# Altium PCB ThereMightBeNoise.PcbDoc (part 1 of 3) (continued)
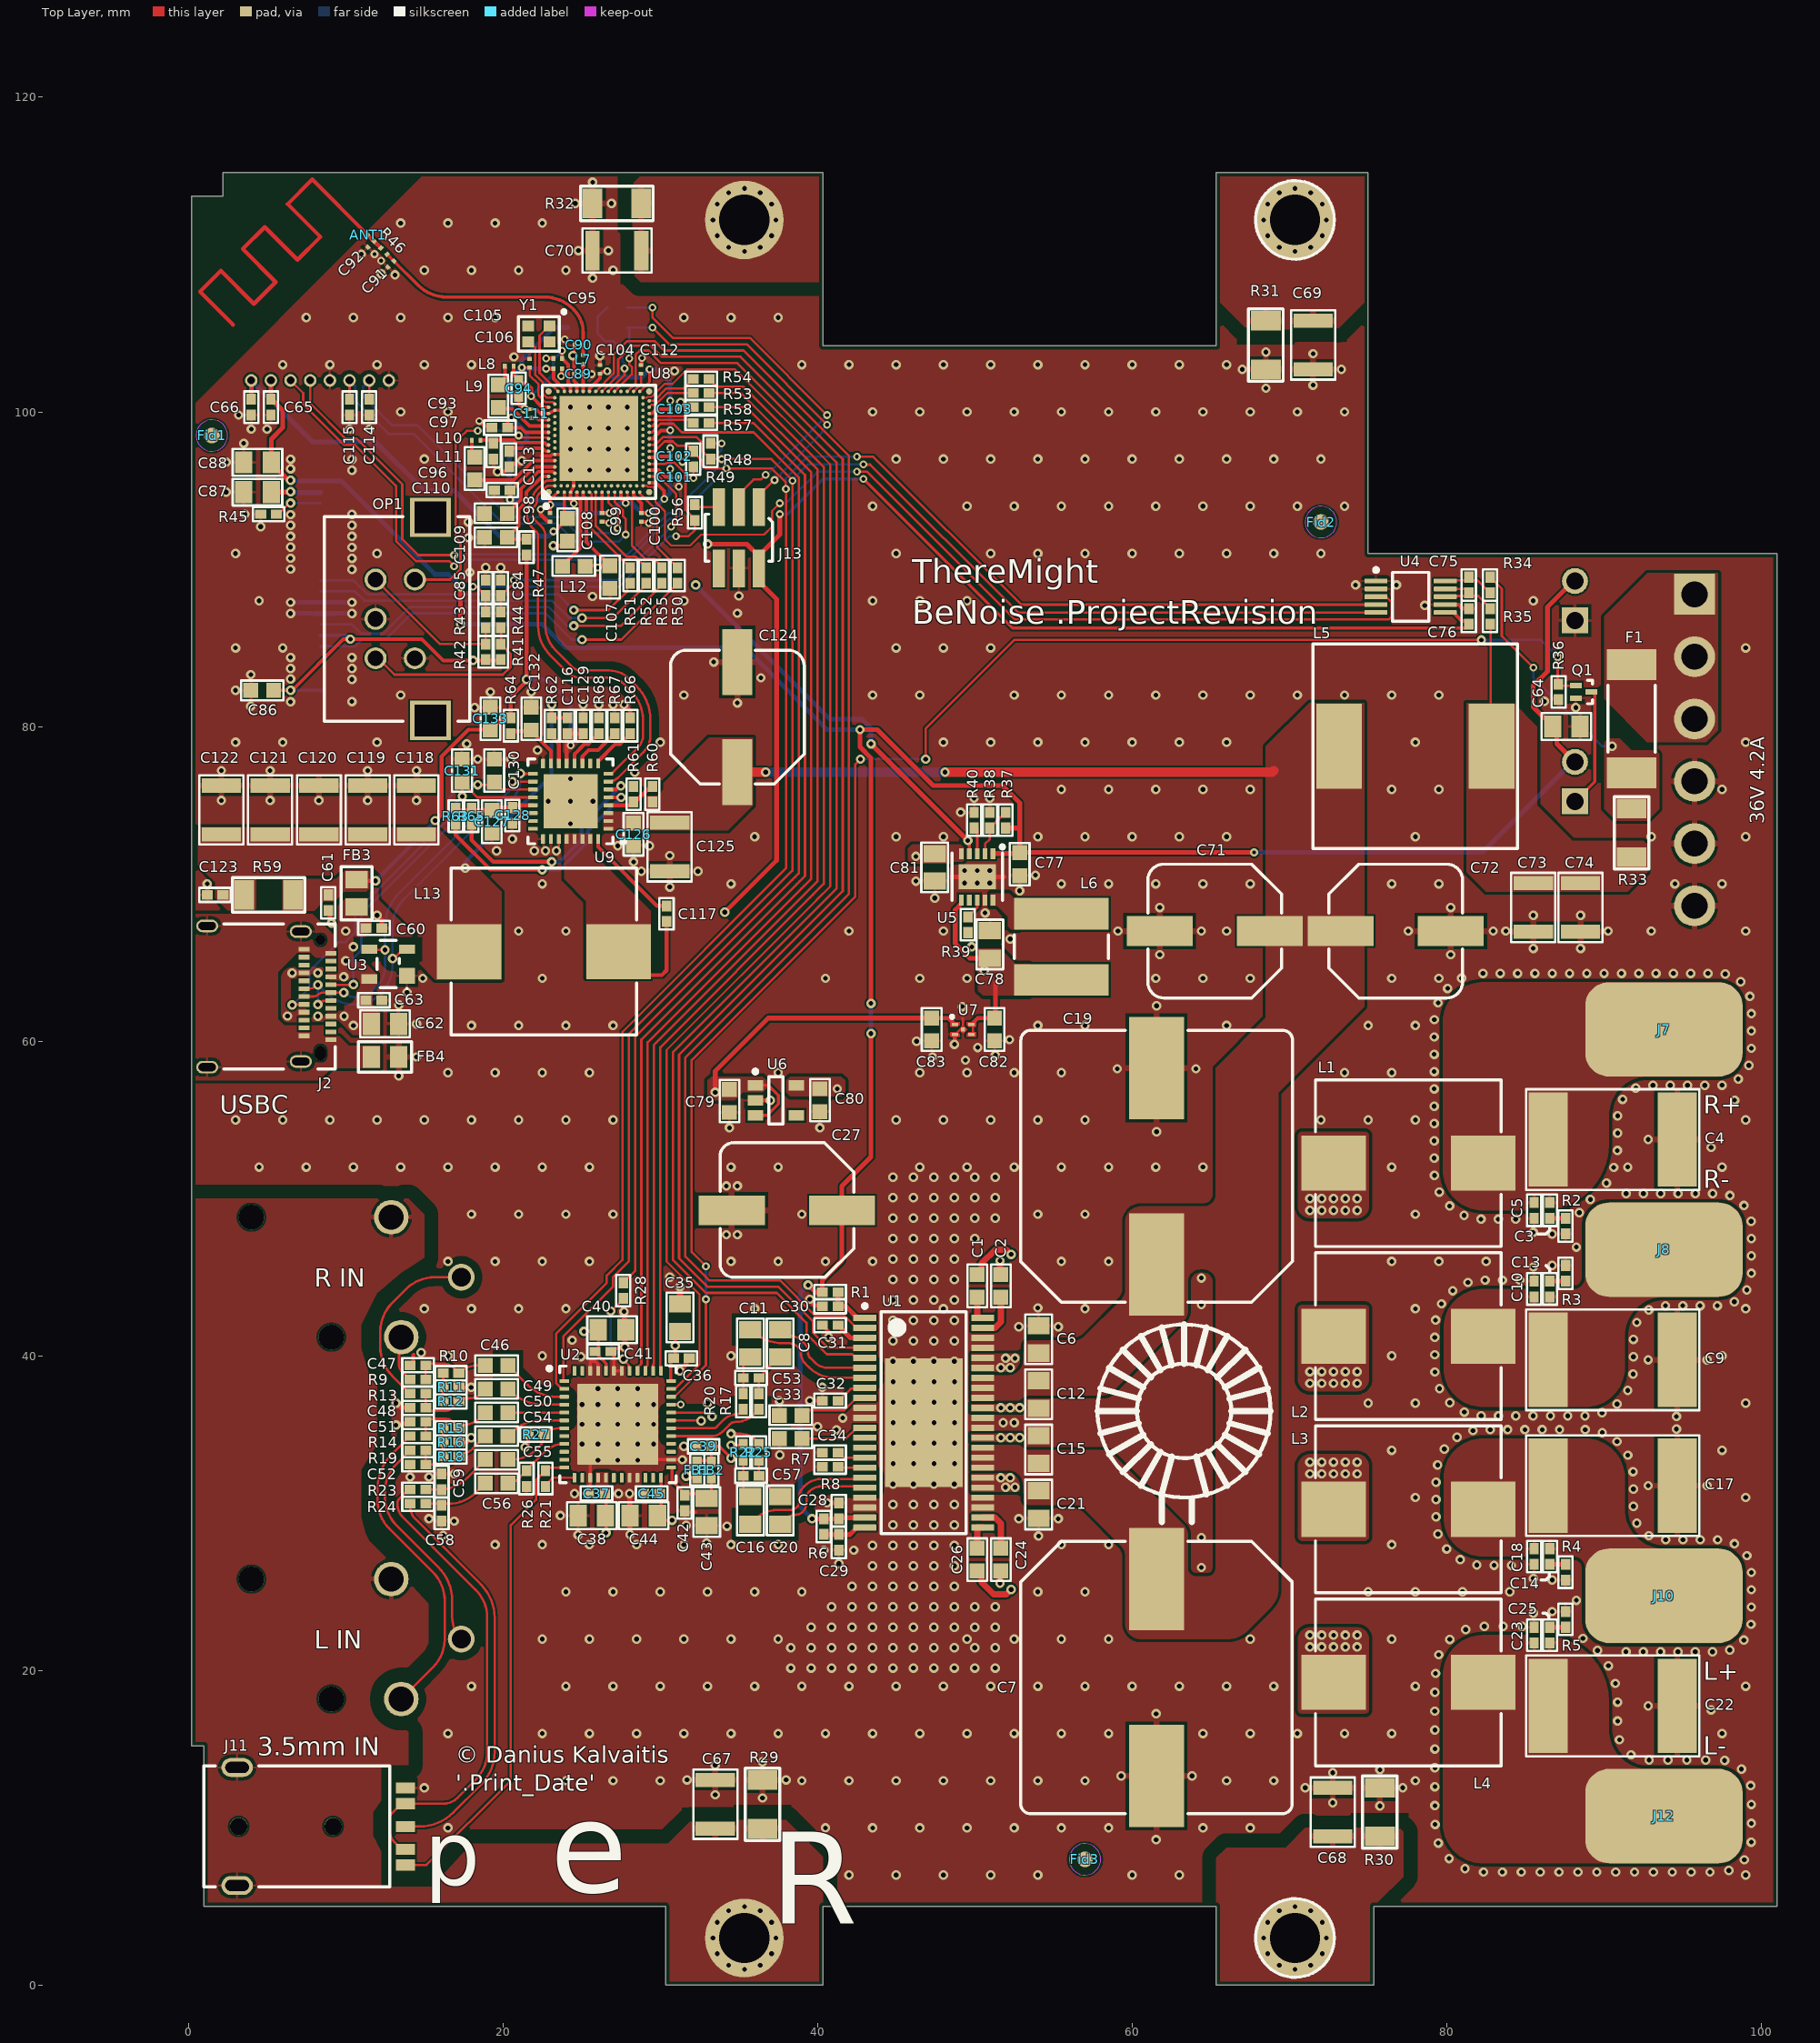
[diagram p0: Top Layer view]
## Components (designator, comment, footprint, x,y, rotation, side; value= is the part's Value field where it differs from the comment) (continued)
C83 "1u/16V" C0603 47.25,60.75 r90 top
C84 "10n/50V" C0402 19.861,88.81 r270 top
C85 "10n/50V" C0402 18.9,88.81 r270 top
C86 "1u/16V" C0603 4.7,82.3 r0 top
C87 "4u7/16V" C0805 4.4,94.9 r0 top
C88 "4u7/16V" C0805 4.4,96.8 r0 top
C89 "1p/50V" C0201 24.8,102.4 r0 top
C90 "1p/50V" C0201 24.825,104.258 r0 top
C91 "1p/50V" C0201 12.879,109.39 r45 top
C92 "1p5/25V" C0201 11.606,110.663 r45 top
C93 "1u/6.3V" C0402 19.8,99 r0 top
C94 "1u/6.3V" C0402 21,101.5 r90 top
C95 "100p/50V" C0201 23.49,103.4 r0 top
C96 "1u/6.3V" C0402 19.95,95.025 r0 top
C97 "1u/6.3V" C0402 19.4,97.5 r90 top
C98 "100n/10V" C0201 23,93.3 r90 top
C99 "100n/10V" C0201 26.3,93.3 r90 top
C100 "100n/10V" C0201 28.8,93.3 r90 top
C101 "100n/10V" C0201 30.9,95.85 r180 top
C102 "100n/10V" C0201 30.9,97.175 r180 top
C103 "100n/10V" C0201 30.9,100.175 r180 top
C104 "100n/10V" C0201 26.175,102.7 r270 top
C105 "100n/10V" C0201 23.49,102.75 r180 top
C106 "100n/10V" C0201 21.7,103.1 r270 top
C107 "2u2/10V" C0603 26.8,89.5 r90 top
C108 "4u7/10V" C0603 24.1,92.5 r90 top
C109 "4u7/10V" C0603 19.55,92.025 r0 top
C110 "4u7/10V" C0603 19.55,93.55 r0 top
C111 "100n/10V" C0201 21.8,99.9 r270 top
C112 "820p/50V" C0201 28.775,102.7 r270 top
C113 "1u/6.3V" C0402 20.4,97 r90 top
C114 "300p/50V" C0402 11.5,100.3 r270 top
C115 "300p/50V" C0402 10.25,100.3 r90 top
C116 "100n/10V" C0402 24.1,80.05 r270 top
C117 "100n/10V" C0402 30.4,68.1 r270 top
C118 "22u/16V" C1210 14.5,74.7 r270 top
C119 "22u/16V" C1210 11.4,74.7 r270 top
C120 "22u/16V" C1210 8.3,74.7 r270 top
C121 "22u/16V" C1210 5.2,74.7 r270 top
C122 "22u/16V" C1210 2.1,74.7 r270 top
C123 "100n/10V" C0402 1.7,69.3 r0 top
C124 "47uF/50V" WURTH-L6.5-D8 34.9,80.6 r270 top
C125 "10u/50V" C1210 30.6,72.35 r90 top
C126 "100n/50V" C0603 28.3,73.15 r90 top
C127 "2u2/10V" C0603 19.3,73.95 r90 top
C128 "100n/10V" C0402 20.6,74.35 r90 top
C129 "100n/10V" C0402 25.1,80.05 r270 top
C130 "220n/50V" C0603 19.45,77.2 r270 top
C131 "220n/50V" C0603 17.4,77.2 r270 top
C132 "220n/50V" C0603 21.8,80.5 r270 top
C133 "1u/16V" C0603 19.2,80.5 r270 top
DS1 "QG-2864KSWLG01" QG-2864KSWLG01 8.425,86.841 r0 bottom locked
F1 "Fuse Type\"+' '+\"Current Rating\"+' '+\"Voltage Rating" F2512 91.75,80.5 r270 top
FB1 "120R/500mA" FB0402 32.35,32.75 r270 top
FB2 "120R/500mA" FB0402 33.25,32.75 r270 top
FB3 "22R/6A" FB0805 10.7,69.4 r90 top
FB4 "22R/6A" FB0805 12.5,59 r180 top
Fid1 "Fiducial mark" Fiducial 1.5,98.5 r90 top
Fid2 "Fiducial mark" Fiducial 72,93 r90 top
Fid3 "Fiducial mark" Fiducial 57,8 r90 top
J1 "B6P-VH(LF)(SN)" B6P-VH 95.75,78.5 r270 bottom locked
J2 "12401610E4#2A" 12401610E4#2A 4.05,62.84 r270 top locked
J3 "22-04-1021" 22-04-1021 88.15,88 r270 bottom locked
J4 "22-04-1021" 22-04-1021 88.15,76.5 r270 bottom locked
J5 "530470810" 530470810 8.375,102 r180 bottom
J6 "XLR3" NC3FAAH1 6.605,44.925 r270 bottom locked
J7 "AUDIO_JACK" AUDIO_JACK_RED 93.8,60.75 r0 top
J8 "AUDIO_JACK" AUDIO_JACK_BLACK 93.8,46.75 r0 top
J9 "XLR3" NC3FAAH1 6.605,21.925 r270 bottom locked
J10 "AUDIO_JACK" AUDIO_JACK_RED 93.8,24.75 r0 top
J11 "SJ-3541AS-SMT-TR-67" SJ-3541AS-SMT-TR-67 5.85,10.09 r0 top locked
J12 "AUDIO_JACK" AUDIO_JACK_BLACK 93.8,10.75 r0 top
J13 "20021121-00006C4LF" 20021121-00006C4LF 35,92 r270 top
J14 "PADS-POGO-HYBRID-4P" PADS-POGO-HYBRID-4P 26,106 r0 bottom
L1 "10uH/ 7.5A" PA4342.103NLT 77.55,52.25 r90 top
L2 "10uH/ 7.5A" PA4342.103NLT 77.55,41.25 r90 top
L3 "10uH/ 7.5A" PA4342.103NLT 77.55,30.25 r90 top
L4 "10uH/ 7.5A" PA4342.103NLT 77.55,19.25 r90 top
L5 "6.8uH/ 6.3A" SRR1260 78,78.75 r180 top
L6 "220uH/ 590mA" TYS6045221M-10 55.5,66 r0 top
L7 "3.9nH/ 400mA" L0201 25.1,103.333 r90 top
L8 "15nH/ 250mA" L0201 20.4,102.9 r180 top
L9 "10uH/ 115mA" L0603 19.7,101 r270 top
L10 "15nH/ 250mA" L0201 18.3,98.2 r180 top
L11 "10uH/ 115mA" L0603 18.2,96.4 r270 top
L12 "10uH/ 115mA" L0603 24.5,90.2 r180 top
L13 "15uH/ 6.25" PA4342.XXXNLT 22.6,65.7 r270 top
OP1 "PEC12R-2230F-S0024" PEC12R-2x30F-Sxxxx 14.4,86.841 r270 top locked
Q1 "RUM002N02T2L" SOT-723-3 88.7,82.2 r0 top
R1 "3R3" R0402 40.8,44.05 r180 top
R2 "3R3" R0402 87.55,48.25 r90 top
R3 "3R3" R0402 87.55,45.25 r90 top
R4 "3R3" R0402 87.55,26.25 r90 top
R5 "3R3" R0402 87.55,23.25 r90 top
R6 "3R3" R0402 40.4,29.15 r90 top
R7 "30k" R0402 40.8,33.85 r0 top
R8 "30k" R0402 40.8,32.95 r0 top
R9 "100R" R0402 14.6,38.5 r0 top
R10 "47k" R0402 16.7,38.9 r0 top
R11 "2M2" R0402 16.7,38 r0 top
R12 "47k" R0402 16.7,37.1 r180 top
R13 "100R" R0402 14.6,37.6 r0 top
R14 "100R" R0402 14.6,34.9 r0 top
R15 "47k" R0402 16.7,35.4 r0 top
R16 "2M2" R0402 16.7,34.5 r0 top
R17 "560R" R0402 36.275,37.1 r90 top
R18 "47k" R0402 16.7,33.6 r180 top
R19 "100R" R0402 14.6,34 r0 top
R20 "560R" R0402 35.275,37.1 r90 top
R21 "2k" R0402 22.7,32.2 r270 top
R22 "560R" R0402 35.275,33.875 r270 top
R23 "100R" R0402 14.6,31.5 r0 top
R24 "100R" R0402 14.6,30.6 r0 top
R25 "560R" R0402 36.275,33.875 r270 top
R26 "100k" R0402 21.5,32.2 r90 top
R27 "100k" R0402 22.1,35 r0 top
R28 "33R" R0402 27.65,44.15 r270 top
R29 "100R" R1206 36.5,11.5 r90 top
R30 "100R" R1206 75.75,11 r90 top
R31 "100R" R1206 68.5,104.25 r270 top
R32 "100R" R1206 27.25,113.25 r180 top
R33 "2m" R1206 91.75,73.25 r270 top
R34 "3R3" R0402 82.75,89 r90 top
R35 "3R3" R0402 82.75,87 r270 top
R36 "10k" R0402 87.1,82.2 r90 top
R37 "3M3" R0402 51.95,74.05 r270 top
R38 "470k" R0402 50.95,74.05 r270 top
R39 "TBD" R0402 49.55,67.4 r90 top
R40 "TBD" R0402 49.95,74.05 r270 top
R41 "10k" R0402 19.861,84.746 r270 top
R42 "10k" R0402 18.9,84.746 r270 top
R43 "10k" R0402 18.9,86.778 r90 top
R44 "10k" R0402 19.861,86.778 r90 top
R45 "910k" R0402 5.1,93.5 r0 top
R46 "0R" R0201 12.437,110.221 r135 top
R47 "4k7" R0402 21.5,91.4 r90 top
R48 "4k7" R0402 33.2,97.5 r90 top
R49 "4k7" R0402 32.1,97 r270 top
R50 "33R" R0402 31.1,89.6 r90 top
R51 "33R" R0402 28.1,89.6 r90 top
R52 "33R" R0402 29.1,89.6 r90 top
R53 "33R" R0402 32.6,101.2 r180 top
R54 "33R" R0402 32.6,102.1 r180 top
R55 "33R" R0402 30.1,89.6 r90 top
R56 "0R" R0402 32.2,93.6 r90 top
R57 "33R" R0402 32.6,99.3 r180 top
R58 "33R" R0402 32.6,100.3 r180 top
R59 "15m" R1206 5.1,69.3 r0 top
R60 "110k" R0402 29.5,75.7 r270 top
R61 "4k7" R0402 28.3,75.7 r270 top
R62 "300R" R0402 23.1,80.05 r90 top
R63 "100k" R0402 17,74.3 r270 top
R64 "100R" R0402 20.5,80.05 r90 top
R65 "100k" R0402 18,74.3 r270 top
R66 "49.9k" R0402 28.1,80.05 r270 top
R67 "0R" R0402 27.1,80.05 r270 top
R68 "11k8" R0402 26.1,80.05 r270 top
U1 "TPA3250D2DDWR" HTSSOP-44 46.75,35.75 r0 top
U2 "TLV320AIC3106" VQFN-48 27.3,35.65 r0 top
U3 "SP0503BAHTG" SOT143-4 12.7,64.9 r180 top
U4 "INA226AIDGSR" MSOP-10 77.7,88.25 r0 top
U5 "MAX17671" TDFN-10 50.15,70.45 r270 top
U6 "MIC5504-1.8YM5" SOT23-5 37.347,56.241 r0 top
U7 "MIC5365-3.3YMT-TZ" MLF-4 49.25,60.75 r0 top
U8 "nRF5340-QKAA-R" AQFN-94 26.1,98.1 r90 top
U9 "TPS25832QWRHBRQ1" VQFN-32 24.3,75.25 r180 top
Y1 "32MHz/40ppm" XTAL_2X1_6 22.276,104.958 r180 top

## Footprints (in the part's own frame and the unit in brackets; to place one, negate y for a bottom-side part, rotate by r counter-clockwise, add the part's x,y. Pads: shape width x height; smd on the part's side, far side on the other; paste and mask are expansions set on the pad)
22-04-1021 [mm]
  rect 1.65x1.65 hole 1.1: 1(1.25,0)
  round 1.65 hole 1.1: 2(-1.25,0)
  silkscreen extent -2.42,-3.2 2.42,2.6, body extent -2.25,-3.2 2.25,2.6, height 11.71
12401610E4#2A [mm]
  rect 0.3x0.7 smd: A1(-2.75,5.01) A2(-2.25,5.01) A3(-1.75,5.01) A4(-1.25,5.01) A5(-0.75,5.01) A6(-0.25,5.01) A7(0.25,5.01) A8(0.75,5.01) A9(1.25,5.01) A10(1.75,5.01) A11(2.25,5.01) A12(2.75,5.01) B1(2.5,3.31) B2(2,3.31) B3(1.5,3.31) B4(1,3.31) B5(0.5,3.31) B6(0,3.31) B7(-0.5,3.31) B8(-1,3.31) B9(-1.5,3.31) B10(-2,3.31) B11(-2.5,3.31) B12(-3,3.31)
  oval 0.8x1.4 hole 0.5 slot 1.1 at 90 deg: SH1(-4.13,3.1) SH2(-4.49,-2.85) SH3(4.49,-2.85) SH4(4.13,3.1)
  round 0.65 hole 0.65 unplated: ""(-3.6,4.35)
  oval 0.95x0.65 hole 0.65 slot 0.95 at 0 deg unplated: ""(3.6,4.35)
  silkscreen extent -4.6,-1.8 4.6,5.3, body extent -4.6,-5.27 4.6,5.28, height 3.3
20021121-00006C4LF [mm]
  rect 2.4x0.76 smd: 1(-1.95,1.27) 2(-1.95,0) 3(-1.95,-1.27) 4(1.95,-1.27) 5(1.95,0) 6(1.95,1.27)
  silkscreen extent -1.5,-2.13 1.5,2.13, body extent -2.75,-1.88 2.75,1.93, height 4.51
530470810 [mm] "1.25mm Pitch, PicoBlade PCB Header, Single Row, Vertical, Through Hole, Tin Plating, Friction Lock, 8 Circuits, Tray, 2.30mm PC Tail Length"
  round 0.8 hole 0.5: 1(-4.375,0) 2(-3.125,0) 3(-1.875,0) 4(-0.625,0) 5(0.625,0) 6(1.875,0) 7(3.125,0) 8(4.375,0)
  silkscreen extent -5.97,-2.15 5.97,1.25, body extent -5.87,-2.05 5.88,1.15, height 4.21
AQFN-94 [mm]
  rect 5.4x5 smd paste-5 mask+0.05: 104(0.2,0)
  round 0.4 smd paste+0.012 mask+0.05: A1(-3.2,3.2) A31(3.2,3.2) AL1(-3.2,-3.2) AL31(3.2,-3.2)
  round 0.225 smd paste+0.012 mask+0.05: A5(-2.2,3.2) A13(-0.6,3.2) A15(-0.2,3.2) A17(0.2,3.2) A19(0.6,3.2) A21(1,3.2) A23(1.4,3.2) A25(1.8,3.2) A27(2.2,3.2) AA1(-3.2,-1) AA31(3.2,-1) AB2(-2.8,-1.2) AC1(-3.2,-1.4) AC31(3.2,-1.4) AD2(-2.8,-1.6) AE1(-3.2,-1.8) AE31(3.2,-1.8) AF2(-2.8,-2) AG1(-3.2,-2.2) AG31(3.2,-2.2) AH2(-2.8,-2.4) AJ1(-3.2,-2.6) AJ31(3.2,-2.6) AK2(-2.8,-2.8) AK4(-2.4,-2.8) AK6(-2,-2.8) AK8(-1.6,-2.8) AK10(-1.2,-2.8) AK12(-0.8,-2.8) AK14(-0.4,-2.8) AK16(0,-2.8) AK18(0.4,-2.8) AK20(0.8,-2.8) AK22(1.2,-2.8) AK24(1.6,-2.8) AK26(2,-2.8) AK28(2.4,-2.8) AK30(2.8,-2.8) AL3(-2.6,-3.2) AL5(-2.2,-3.2) AL7(-1.8,-3.2) AL9(-1.4,-3.2) AL11(-1,-3.2) AL13(-0.6,-3.2) AL15(-0.2,-3.2) AL17(0.2,-3.2) AL19(0.6,-3.2) AL21(1,-3.2) AL23(1.4,-3.2) AL25(1.8,-3.2) AL27(2.2,-3.2) AL29(2.6,-3.2) B2(-2.8,2.8) B4(-2.4,2.8) B6(-2,2.8) B8(-1.6,2.8) B10(-1.2,2.8) B12(-0.8,2.8) B14(-0.4,2.8) B16(0,2.8) B18(0.4,2.8) B20(0.8,2.8) B22(1.2,2.8) B24(1.6,2.8) B26(2,2.8) B28(2.4,2.8) B30(2.8,2.8) C1(-3.2,2.6) C31(3.2,2.6) D2(-2.8,2.4) E1(-3.2,2.2) E31(3.2,2.2) F2(-2.8,2) G1(-3.2,1.8) G31(3.2,1.8) H2(-2.8,1.6) J1(-3.2,1.4) J31(3.2,1.4) K2(-2.8,1.2) L1(-3.2,1) L31(3.2,1) M2(-2.8,0.8) N1(-3.2,0.6) N31(3.2,0.6) P2(-2.8,0.4) R1(-3.2,0.2) R31(3.2,0.2) T2(-2.8,0) U1(-3.2,-0.2) U31(3.2,-0.2) V2(-2.8,-0.4) W1(-3.2,-0.6) W31(3.2,-0.6) Y2(-2.8,-0.8)
  rrect50% 1.1x1 on Top Paste: ""(-1.75,-1.8) ""(-1.75,-0.6) ""(-1.75,0.6) ""(-1.75,1.8) ""(-0.45,1.8) ""(-0.45,-0.6) ""(-0.45,0.6) ""(-0.45,-1.8) ""(0.85,1.8) ""(0.85,-0.6) ""(0.85,0.6) ""(0.85,-1.8) ""(2.15,-1.8) ""(2.15,-0.6) ""(2.15,0.6) ""(2.15,1.8)
  silkscreen extent -4.22,-3.6 3.6,3.6, body extent -3.5,-3.5 3.5,3.5, height 0.85
AUDIO_JACK_BLACK [mm] "SMD PAD rounded rectangle 6mm X 10mm"
  rrect50% 10x6 smd: 1(0,0)
  body extent -4.7,-5.75 29.3,5.75, height 20.76
AUDIO_JACK_RED [mm] "SMD PAD rounded rectangle 6mm X 10mm"
  rrect50% 10x6 smd: 1(0,0)
  body extent -4.7,-5.75 29.3,5.75, height 20.76
B6P-VH [mm]
  rect 2.6x2.6 hole 1.65: 1(-9.9,0)
  round 2.6 hole 1.65: 2(-5.94,0) 3(-1.98,0) 4(1.98,0) 5(5.94,0) 6(9.9,0)
  silkscreen extent -12,-4.7 12,4, body extent -11.84,-4.6 11.59,3.9, height 10.9
C0201 [mm]
  rect 0.25x0.3 smd: 1(-0.275,0) 2(0.275,0)
  body extent -0.31,-0.16 0.32,0.17, height 0.32
C0402 [mm]
  rect 0.7x0.6 smd mask+0.05: 1(-0.5,0) 2(0.5,0)
  silkscreen extent -1,-0.45 1,0.45, body extent -0.5,-0.26 0.5,0.27, height 0.36
C0603 [mm]
  rect 0.95x0.95 smd mask+0.05: 1(-0.725,0) 2(0.725,0)
  silkscreen extent -1.35,-0.63 1.35,0.63, body extent -0.8,-0.4 0.8,0.4, height 0.3
C0805 [mm]
  rect 1.1x1.4 smd mask+0.05: 1(-0.875,0) 2(0.875,0)
  silkscreen extent -1.58,-0.85 1.58,0.85, body extent -1,-0.62 1,0.63, height 0.8
C1210 [mm]
  rect 0.9x2.5 smd mask+0.05: 1(-1.55,0) 2(1.55,0)
  silkscreen extent -2.2,-1.4 2.2,1.4, body extent -1.7,-1.35 1.7,1.35, height 1.24
C2824 [mm]
  rect 2.5x6 smd mask+0.05: 1(-4.1,0) 2(4.1,0)
  silkscreen extent -5.5,-3.2 5.5,3.2, body extent -3.6,-3.05 3.6,3.05, height 3.7
F2512 [mm]
  rect 1.96x3.15 smd: 1(-3.43,0) 2(3.43,0)
  silkscreen extent -2.12,-1.5 2.12,1.5, body extent -3.05,-1.35 3.05,1.35, height 2.69
FB0402 [mm]
  rect 0.7x0.6 smd mask+0.05: 1(-0.5,0) 2(0.5,0)
  silkscreen extent -1,-0.45 1,0.45, body extent -0.5,-0.25 0.5,0.25, height 0.5
FB0805 [mm]
  rect 1.1x1.4 smd: 1(-0.875,0) 2(0.875,0)
  silkscreen extent -1.7,-0.97 1.7,0.97, body extent -1,-0.62 1,0.63, height 0.51
Fiducial [mm]
  round 1 smd paste-1 mask+0.5: 0(0,0)
  round 1 smd far side paste-1 mask+0.5: 0(0,0)
  Top Layer keep-out circle w0.01: c0,0 r1
  Bottom Layer keep-out circle w0.01: c0,0 r1
HTSSOP-44 [mm] "HTSSOP, 44-Leads, Body 14.00x6.10mm, Pitch 0.64mm, Thermal Pad 7.30x4.43mm, IPC Medium Density"
  rrect7% 1.45x0.4 smd paste+0: 1(-3.75,6.667) 2(-3.75,6.032) 3(-3.75,5.397) 4(-3.75,4.763) 5(-3.75,4.127) 6(-3.75,3.492) 7(-3.75,2.857) 8(-3.75,2.222) 9(-3.75,1.587) 10(-3.75,0.953) 11(-3.75,0.318) 12(-3.75,-0.318) 13(-3.75,-0.953) 14(-3.75,-1.587) 15(-3.75,-2.222) 16(-3.75,-2.857) 17(-3.75,-3.492) 18(-3.75,-4.127) 19(-3.75,-4.763) 20(-3.75,-5.397) 21(-3.75,-6.032) 22(-3.75,-6.667) 23(3.75,-6.667) 24(3.75,-6.032) 25(3.75,-5.397) 26(3.75,-4.763) 27(3.75,-4.127) 28(3.75,-3.492) 29(3.75,-2.857) 30(3.75,-2.222) 31(3.75,-1.587) 32(3.75,-0.953) 33(3.75,-0.318) 34(3.75,0.318) 35(3.75,0.953) 36(3.75,1.587) 37(3.75,2.222) 38(3.75,2.857) 39(3.75,3.492) 40(3.75,4.127) 41(3.75,4.763) 42(3.75,5.397) 43(3.75,6.032) 44(3.75,6.667)
  rrect0% 4.95x8.16 smd paste+0: 45(0,0)
  silkscreen extent -3.87,-7.05 2.7,7.54, body extent -4.15,-7.07 4.15,7.03, height 1.2
L0201 [mm]
  rect 0.25x0.3 smd: 1(-0.275,0) 2(0.275,0)
  body extent -0.3,-0.15 0.3,0.15, height 0.31
L0603 [mm]
  rect 0.95x0.95 smd mask+0.05: 1(-0.725,0) 2(0.725,0)
  silkscreen extent -1.35,-0.63 1.35,0.63, body extent -0.8,-0.4 0.8,0.4, height 0.81
MIFA_2.4GHz_PCB2 [mm]
  rect 0.25x0.25 smd mask+0.102: 1(0,0)
  Top Layer lines w0.254: 10.092,-2.028 10.092,-4.993 8.212,-4.993 8.212,-2.024 6.256,-2.024 6.256,-4.993 4.275,-4.993 4.275,-2.049 2.218,-2.049 2.218,-4.993 0,-4.993 0,0
MLF-4 [mm] "4-Pin 1mm × 1mm Thin MLF"
  rect 0.4x0.2 smd paste-1 mask+0: 1(-0.521,0.312) 2(-0.521,-0.312) 3(0.521,-0.312) 4(0.521,0.312)
  rect 0.25x0.25 smd paste-1 mask+0: 5(0,0)
  Top Layer region: 0.279,0 0,-0.279 -0.279,0 0,0.279
  Top Layer region: 0.826,-0.452 0.216,-0.452 0.216,-0.3 0.343,-0.173 0.826,-0.173
  Top Layer region: -0.216,-0.3 -0.216,-0.452 -0.826,-0.452 -0.826,-0.173 -0.343,-0.173
  Top Layer region: 0.826,0.173 0.343,0.173 0.216,0.3 0.216,0.452 0.826,0.452
  Top Layer region: -0.216,0.3 -0.343,0.173 -0.826,0.173 -0.826,0.452 -0.216,0.452
  silkscreen extent -0.8,0.7 -0.6,0.9, body extent -0.5,-0.5 0.5,0.5, height 0.6
MSOP-10 [mm] "TSSOP, 10-Leads, Body 3.00x3.00mm, Pitch 0.50mm, IPC Medium Density"
  rrect17% 1.45x0.3 smd paste+0 mask+0.05: 1(-2.2,1) 2(-2.2,0.5) 3(-2.2,0) 4(-2.2,-0.5) 5(-2.2,-1) 6(2.2,-1) 7(2.2,-0.5) 8(2.2,0) 9(2.2,0.5) 10(2.2,1)
  silkscreen extent -2.32,-1.55 1.15,1.82, body extent -2.45,-1.55 2.45,1.55, height 1.1
NC3FAAH1 [mm]
  round 2.2 hole 1.6: 1(-3.885,-6.295) 2(3.735,-6.93)
  round 1.7 hole 1.2: 3(-0.075,-10.745)
  round 1.6 hole 1.6 unplated: MH1(-3.885,2.595) MH2(3.735,-2.485)
  silkscreen extent -12.68,-13.2 6.52,6.5, body extent -12.57,-13.1 12.77,13.31, height 29.15
PA4342.103NLT [mm]
  rect 3.5x4.1 smd: 1(0,4.75) 2(0,-4.75)
  silkscreen extent -5.3,-5.9 5.3,5.9, body extent -5.15,-5.75 5.15,5.75, height 4
PA4342.XXXNLT [mm]
  rect 3.5x4.1 smd: 1(0,4.75) 2(0,-4.75)
  silkscreen extent -5.3,-5.9 5.3,5.9, body extent -5.15,-5.75 5.15,5.75, height 4
PADS-POGO-HYBRID-4P [mm]
  rect 2.475x0.76 smd: 1(-1.887,0.635) 2(-1.887,-0.635) 3(1.887,-0.635) 4(1.887,0.635)
  round 0.76 smd: 1(-0.635,0.635) 2(-0.635,-0.635) 3(0.635,-0.635) 4(0.635,0.635)
  silkscreen extent -3.4,-1.5 3.4,1.5, body extent -2.75,-1.27 2.75,1.27, height 4.51
PEC12R-2x30F-Sxxxx [mm]
  round 1.4 hole 1: 1(-2.5,0) 2(2.5,0) A(-2.5,-2.5) B(2.5,-2.5) C(0,-2.5)
  rect 2.5x2.6 hole 2 square: SH1(-6.45,1) SH2(6.45,1)
  silkscreen extent -6.5,-5.75 6.5,3.5, body extent -6.41,-28.9 6.41,3.4, height 16.71
QG-2864KSWLG01 [mm]
  rect 3x0.4 smd: 1(0,10.15) 2(0,9.45) 3(0,8.75) 4(0,8.05) 5(0,7.35) 6(0,6.65) 7(0,5.95) 8(0,5.25) 9(0,4.55) 10(0,3.85) 11(0,3.15) 12(0,2.45) 13(0,1.75) 14(0,1.05) 15(0,0.35) 16(0,-0.35) 17(0,-1.05) 18(0,-1.75) 19(0,-2.45) 20(0,-3.15) 21(0,-3.85) 22(0,-4.55) 23(0,-5.25) 24(0,-5.95) 25(0,-6.65) 26(0,-7.35) 27(0,-8.05) 28(0,-8.75) 29(0,-9.45) 30(0,-10.15)
  silkscreen extent -6.89,-11 0,11, body extent -11.76,-17.25 0,17.25, height 27.12
R0201 [mm]
  rect 0.25x0.3 smd: 1(-0.275,0) 2(0.275,0)
  body extent -0.3,-0.15 0.3,0.15, height 0.23
R0402 [mm]
  rect 0.7x0.6 smd mask+0.05: 1(-0.5,0) 2(0.5,0)
  silkscreen extent -1,-0.45 1,0.45, body extent -0.5,-0.25 0.5,0.25, height 0.35
R1206 [mm]
  rect 1.25x1.9 smd: 1(-1.55,0) 2(1.55,0)
  silkscreen extent -2.3,-1.1 2.3,1.1, body extent -1.6,-0.8 1.6,0.8, height 0.6
SJ-3541AS-SMT-TR-67 [mm]
  rect 1.2x0.7 smd: 1(7.95,2.45) 2(7.95,-1.45) 3(7.95,0) 4(7.95,-2.45) 5(7.95,1.45)
  oval 2x1.2 hole 0.7 slot 1.5 at 0 deg paste+0: MH1(-2.75,3.75) MH2(-2.75,-3.75)
  round 1.1 hole 1.1 unplated: ""(-2.65,0) ""(3.35,0)
  silkscreen extent -4.85,-3.85 6.95,3.85, body extent -8.55,-4.4 8.25,4.4, height 5.31
SOT23-5 [mm] "SOT23, 5-Leads, Body 2.90x2.80mm, Pitch 0.95mm, IPC Medium Density"
  rect 1x0.66 smd: 1(-1.3,0.95) 2(-1.3,0) 3(-1.3,-0.95) 4(1.3,-0.95) 5(1.3,0.95)
  silkscreen extent -1.42,-1.5 0.45,1.95, body extent -1.4,-1.45 1.4,1.45, height 1.45
SOT143-4 [mm] "SOT143, 4-Leads, Body 2.92x2.37mm, Pitch 1.90mm, IPC Medium Density"
  rect 1x1 smd: 1(-1.2,0.75)
  rect 1x0.6 smd: 2(-1.2,-0.95) 3(1.2,-0.95) 4(1.2,0.95)
  silkscreen extent -1.25,-1.5 0.7,1.6, body extent -1.21,-1.46 1.21,1.46, height 1
SOT-723-3 [mm] "SOTFL, 3-Leads, Body 1.20x1.20mm, Pitch 0.40mm, IPC Medium Density"
  rect 0.75x0.35 smd: 1(-0.5,0.4) 2(-0.5,-0.4) 3(0.5,0)
  silkscreen extent 0.25,-0.75 0.55,0.75, body extent -0.6,-0.65 0.6,0.65, height 0.55
SRR1260 [mm]
  rect 2.9x5.4 smd: 1(-4.85,0) 2(4.85,0)
  silkscreen extent -6.5,-6.5 6.5,6.5, body extent -6.25,-6.25 6.25,6.25, height 6
TDFN-10 [mm]
  rect 0.7x0.3 smd: 1(-1.475,1) 2(-1.475,0.5) 3(-1.475,0) 4(-1.475,-0.5) 5(-1.475,-1) 6(1.475,-1) 7(1.475,-0.5) 8(1.475,0) 9(1.475,0.5) 10(1.475,1)
  rect 1.58x2.35 smd: 11(0,0)
  silkscreen extent -2,-1.6 1.5,1.7, body extent -1.51,-1.5 1.51,1.5, height 0.76
TYS6045221M-10 [mm]
  rect 6x2 smd: 1(0,2.1) 2(0,-2.1)
  silkscreen extent -3,-0.75 3,0.75, body extent -3,-3 3,3, height 4.5
VQFN-32 [mm] "VQFN, 32-Leads, Body 5.00x5.00mm, Pitch 0.50mm, Thermal Pad 3.45x3.45mm, IPC Medium Density"
  rrect20% 0.6x0.25 smd paste+0 mask+0.05: 1(-2.4,1.75) 2(-2.4,1.25) 3(-2.4,0.75) 4(-2.4,0.25) 5(-2.4,-0.25) 6(-2.4,-0.75) 7(-2.4,-1.25) 8(-2.4,-1.75) 17(2.4,-1.75) 18(2.4,-1.25) 19(2.4,-0.75) 20(2.4,-0.25) 21(2.4,0.25) 22(2.4,0.75) 23(2.4,1.25) 24(2.4,1.75)
  rrect20% 0.25x0.6 smd paste+0 mask+0.05: 9(-1.75,-2.4) 10(-1.25,-2.4) 11(-0.75,-2.4) 12(-0.25,-2.4) 13(0.25,-2.4) 14(0.75,-2.4) 15(1.25,-2.4) 16(1.75,-2.4) 25(1.75,2.4) 26(1.25,2.4) 27(0.75,2.4) 28(0.25,2.4) 29(-0.25,2.4) 30(-0.75,2.4) 31(-1.25,2.4) 32(-1.75,2.4)
  rrect2% 3.45x3.45 smd paste-4 mask+0.05: 33(0,0)
  rrect4% 1.49x1.49 on Top Paste paste+0: ""(-0.845,0.845) ""(-0.845,-0.845) ""(0.845,0.845) ""(0.845,-0.845)
  silkscreen extent -3.48,-2.7 2.7,2.7, body extent -2.6,-2.6 2.6,2.6, height 1
VQFN-48 [mm] "VQFN, 48-Leads, Body 7.00x7.00mm, Pitch 0.50mm, Thermal Pad 5.15x5.15mm, IPC Medium Density"
  rrect30% 0.6x0.24 smd: 1(-3.4,2.75) 2(-3.4,2.25) 3(-3.4,1.75) 4(-3.4,1.25) 5(-3.4,0.75) 6(-3.4,0.25) 7(-3.4,-0.25) 8(-3.4,-0.75) 9(-3.4,-1.25) 10(-3.4,-1.75) 11(-3.4,-2.25) 12(-3.4,-2.75) 25(3.4,-2.75) 26(3.4,-2.25) 27(3.4,-1.75) 28(3.4,-1.25) 29(3.4,-0.75) 30(3.4,-0.25) 31(3.4,0.25) 32(3.4,0.75) 33(3.4,1.25) 34(3.4,1.75) 35(3.4,2.25) 36(3.4,2.75)
  rrect30% 0.24x0.6 smd: 13(-2.75,-3.4) 14(-2.25,-3.4) 15(-1.75,-3.4) 16(-1.25,-3.4) 17(-0.75,-3.4) 18(-0.25,-3.4) 19(0.25,-3.4) 20(0.75,-3.4) 21(1.25,-3.4) 22(1.75,-3.4) 23(2.25,-3.4) 24(2.75,-3.4) 37(2.75,3.4) 38(2.25,3.4) 39(1.75,3.4) 40(1.25,3.4) 41(0.75,3.4) 42(0.25,3.4) 43(-0.25,3.4) 44(-0.75,3.4) 45(-1.25,3.4) 46(-1.75,3.4) 47(-2.25,3.4) 48(-2.75,3.4)
  rrect2% 5.15x5.15 smd paste-10: 49(0,0)
  silkscreen extent -4.47,-3.7 3.7,3.7, body extent -3.55,-3.55 3.55,3.55, height 1
WURTH-L6.5-D8 [mm] "Aluminium Electrolytic V-Chip SMT Capacitors, §¶8x6.5mm"
  rect 4.2x1.9 smd: 1(3.5,0) 2(-3.5,0)
  silkscreen extent -4.25,-4.25 4.25,4.25, body extent -4.5,-4.15 4.5,4.15, height 6.53
Wurth-L10.5-D8 [mm]
  rect 4.2x1.9 smd: 1(3.5,0) 2(-3.5,0)
  silkscreen extent -4.25,-4.25 4.25,4.3, body extent -4.5,-4.15 4.5,4.15, height 10.5
Wurth-L17-D16 [mm]
  rect 6.5x3.5 smd: 1(6.25,0) 2(-6.25,0)
  silkscreen extent -8.65,-8.63 8.65,8.65, body extent -9.15,-8.5 9.15,8.5, height 17
XTAL_2X1_6 [mm]
  rrect0% 0.75x0.7 smd: 1(-0.675,-0.5) 2(0.675,-0.5) 3(0.675,0.5) 4(-0.675,0.5)
  silkscreen extent -1.7,-1.5 1.3,1.1, body extent -1,-0.8 1,0.8, height 0.73

## Part data
ANT1: library part MIFA_2.4GHz_PCB2, "Meandered Inverted-F Antenna (MIFA)"
C1 C2 C24 C26: library part "33n 50V X7R 0603", Capacitance=33n, Dielectric=X7R, Manufacturer 1="Wurth Elektronik", Manufacturer Part Number 1=885012206092, Supplier Part Number 1=710-885012206092, Tolerance=10%, Voltage=50V, Specifications="X7R 33n 50V ±10%", Supplier 1=Mouser
C3 C13 C14 C25 C32 C60 C84 C85: library part "10n 50V X7R 0402", Capacitance=10n, Dielectric=X7R, Manufacturer 1="Wurth Elektronik", Manufacturer Part Number 1=885012205067, Supplier Part Number 1=710-885012205067, Tolerance=10%, Voltage=50V, Specifications="X7R 10n 50V ±10%", Supplier 1=Mouser
C4 C9 C17 C22: library part "1u 50V PET 2824", Capacitance=1u, Dielectric=PET, Manufacturer 1=AVX, Manufacturer Part Number 1=CB052D0105JBC, Supplier Part Number 1=581-CB052D0105J, Tolerance=5%, Voltage=50V, Specifications="PET 1u 50V ±5%", Supplier 1=Mouser
C5 C10 C18 C23: library part "1n 50V X7R 0402", Capacitance=1n, Dielectric=X7R, Manufacturer 1="Wurth Elektronik", Manufacturer Part Number 1=885012205061, Supplier Part Number 1=710-885012205061, Tolerance=10%, Voltage=50V, Specifications="X7R 1n 50V ±10%", Supplier 1=Mouser
C6 C12 C15 C21: library part "1u 50V X7R 0805", Capacitance=1u, Dielectric=X7R, Manufacturer 1=AVX, Manufacturer Part Number 1=08055C105K4T2A, Supplier Part Number 1=581-08055C105K4T2A, Tolerance=10%, Voltage=50V, Specifications="X7R 1u 50V ±10%", Supplier 1=Mouser
C7 C19: library part Wurth-470uF-50V-L17-D16, "Aluminium Electrolytic Capacitors - SMD WCAP-ASLL 50V 470uF 20% ESR=73mOhms", Capacitance=470uF, Manufacturer 1="Wurth Elektronik", Manufacturer Part Number 1=865060663013, Supplier Part Number 1=710-865060663013, Tolerance=20%, Voltage=50V, ComponentLink1Description=Datasheet, ComponentLink1URL=https://www.mouser.co.uk/datasheet/2/445/865080253012-1075191.pdf, Specifications="470uF 50V ±20%", Supplier 1=Mouser
C8 C11 C16 C20 C35 C38 C40 C43 C44 C62 C78: library part "10u 6V3 X7R 0805", Capacitance=10u, Dielectric=X7R, Manufacturer 1="Taiyo Yuden", Manufacturer Part Number 1=JMK212B7106KG-T, Supplier Part Number 1=963-JMK212B7106KG-T, Tolerance=10%, Voltage=6.3V, Specifications="X7R 10u 6.3V ±10%", Supplier 1=Mouser
C27: library part Wurth-470uF-16V-L10.5-D8, "Aluminium Electrolytic Capacitors - SMD WCAP-ASLI 470uF 16V 20% SMD/SMT", Capacitance=470uF, Manufacturer 1="Wurth Elektronik", Manufacturer Part Number 1=865080353015, Supplier Part Number 1=710-865080353015, Tolerance=20%, Voltage=16V, ComponentLink1Description=Datasheet, ComponentLink1URL=https://www.mouser.co.uk/datasheet/2/445/865080353015-1726381.pdf, Specifications="470uF 16V ±20%", Supplier 1=Mouser
C28 C29 C30 C31: library part "100n 25V X7R 0402", Capacitance=100n, Dielectric=X7R, Manufacturer 1="MULTICOMP PRO", Manufacturer Part Number 1=MC0402B104K250CT, Supplier Part Number 1=2320759, Tolerance=10%, Voltage=25V, Specifications="X7R 100n 25V ±10%", Supplier 1=Farnell
C33 C34 C46 C49 C50 C54 C55 C56 C77 C79 C80 C82 C83 C86 C133: library part "1u 16V X7R 0603", Capacitance=1u, Dielectric=X7R, Manufacturer 1="Wurth Elektronik", Manufacturer Part Number 1=885012206052, Supplier Part Number 1=710-885012206052, Tolerance=10%, Voltage=16V, Specifications="X7R 1u 16V ±10%", Supplier 1=Mouser
C36 C37 C39 C41 C42 C45 C61 C63 C65 C66 C75 C76 C116 C117 C123 C128 C129: library part "100n 10V X5R 0402", Capacitance=100n, Dielectric=X5R, Manufacturer 1="Wurth Elektronik", Manufacturer Part Number 1=885012105010, Supplier Part Number 1=710-885012105010, Tolerance=20%, Voltage=10V, Specifications="X5R 100n 10V ±20%", Supplier 1=Mouser
C47 C48 C51 C52 C58 C59: library part "100p 50V C0G 0402", Capacitance=100p, Dielectric=C0G, Manufacturer 1="Multicomp PRO", Manufacturer Part Number 1=MC0402N101K500CT, Supplier Part Number 1=2320762, Tolerance=10%, Voltage=50V, Specifications="C0G 100p 50V ±10%", Supplier 1=Farnell
C53 C57: library part "4n7 25V X7R 0402", Capacitance=4n7, Dielectric=X7R, Manufacturer 1="Wurth Elektronik", Manufacturer Part Number 1=885012205048, Supplier Part Number 1=710-885012205048, Tolerance=10%, Voltage=25V, Specifications="X7R 4n7 25V ±10%", Supplier 1=Mouser
C64 C81 C87 C88: library part "4u7 16V X7R 0805", Capacitance=4u7, Dielectric=X7R, Manufacturer 1="Taiyo Yuden", Manufacturer Part Number 1=EMK212AB7475KGHT, Supplier Part Number 1=963-EMK212AB7475KGHT, Tolerance=10%, Voltage=16V, Specifications="X7R 4u7 16V ±10%", Supplier 1=Mouser
C67 C68 C69 C70: library part "100n 250V X7R 1206", Capacitance=100n, Dielectric=X7R, Manufacturer 1="Wurth Elektronik", Manufacturer Part Number 1=885342208004, Supplier Part Number 1=710-885342208004, Tolerance=10%, Voltage=250V, Specifications="X7R 100n 250V ±10%", Supplier 1=Mouser
C71 C72 C124: library part Wurth-47uF-50V-L6.5-D8, "Aluminium Electrolytic Capacitors - SMD WCAP-ASLI 50V 47uF 20% ESR=690mOhms", Capacitance=47uF, Manufacturer 1="Wurth Elektronik", Manufacturer Part Number 1=865080649013, Supplier Part Number 1=710-865080649013, Tolerance=20%, Voltage=50V, ComponentLink1Description=Datasheet, ComponentLink1URL=https://www.mouser.co.uk/datasheet/2/445/865080649013-1075240.pdf, Specifications="47uF 50V ±20%", Supplier 1=Mouser
C73 C74: library part "4u7 50V X7R 1210", Capacitance=4u7, Dielectric=X7R, Manufacturer 1="Taiyo Yuden", Manufacturer Part Number 1=UMK325B7475KMHP, Supplier Part Number 1=963-UMK325B7475KMHP, Tolerance=10%, Voltage=50V, Specifications="X7R 4u7 50V ±10%", Supplier 1=Mouser
C89 C90 C91: library part "1p 50V C0G 0201", Capacitance=1p, Dielectric=C0G, Manufacturer 1=MURATA, Manufacturer Part Number 1=GRM0335C1H1R0BA01D, Supplier Part Number 1=2990626, Tolerance=10%, Voltage=50V, Specifications="C0G 1p 50V ±10%", Supplier 1=Farnell
C92: library part "1p5 25V C0G 0201", Capacitance=1p5, Dielectric=C0G, Manufacturer 1=MURATA, Manufacturer Part Number 1=GRM0335C1E1R5BA01D, Supplier Part Number 1=2998131, Tolerance=7%, Voltage=25V, Specifications="C0G 1p5 25V ±7%", Supplier 1=Farnell
C93 C94 C96 C97 C113: library part "1u 6V3 X7R 0402", Capacitance=1u, Dielectric=X7R, Manufacturer 1=MURATA, Manufacturer Part Number 1=GRM155R70J105KA12D, Supplier Part Number 1=2688505, Tolerance=10%, Voltage=6.3V, Specifications="X7R 1u 6.3V ±10%", Supplier 1=Farnell
C95: library part "100p 50V X7R 0201", Capacitance=100p, Dielectric=X7R, Manufacturer 1=MURATA, Manufacturer Part Number 1=GRM033R71H101KA12D, Supplier Part Number 1=2999557, Tolerance=10%, Voltage=50V, Specifications="X7R 100p 50V ±10%", Supplier 1=Farnell
C98 C99 C100 C101 C102 C103 C104 C105 C106 C111: library part "100n 10V X5R 0201", Capacitance=100n, Dielectric=X5R, Manufacturer 1=Samsung, Manufacturer Part Number 1=CL03A104KP3NNNC, Supplier Part Number 1=3013314, Tolerance=10%, Voltage=10V, Specifications="X5R 100n 10V ±10%", Supplier 1=Farnell
C107 C127: library part "2u2 10V X5R 0603", Capacitance=2u2, Dielectric=X5R, Manufacturer 1="SAMSUNG ELECTRO-MECHANICS", Manufacturer Part Number 1=CL10A225KP8NNNC, Supplier Part Number 1=3013393, Tolerance=10%, Voltage=10V, Specifications="X5R 2u2 10V ±10%", Supplier 1=Farnell
C108 C109 C110: library part "4u7 10V X5R 0603", Capacitance=4u7, Dielectric=X5R, Manufacturer 1=Samsung, Manufacturer Part Number 1=CL10A475KP8NNNC, Supplier Part Number 1=3013398, Tolerance=10%, Voltage=10V, Specifications="X5R 4u7 10V ±10%", Supplier 1=Farnell
C112: library part "820p 50V X7R 0201", Capacitance=820p, Dielectric=X7R, Manufacturer 1=MURATA, Manufacturer Part Number 1=GRM033R71H821KA12D, Supplier Part Number 1=2999579, Tolerance=10%, Voltage=50V, Specifications="X7R 820p 50V ±10%", Supplier 1=Farnell
C114 C115: library part "300p 50V X7R 0402", Capacitance=300p, Dielectric=X7R, Manufacturer 1=Yageo, Manufacturer Part Number 1=CC0402KRX7R9BB301, Supplier Part Number 1=603-CC0402KR9BB301, Tolerance=10%, Voltage=50V, Specifications="X7R 300p 50V ±10%", Supplier 1=Mouser
C118 C119 C120 C121 C122: library part "22u 16V X7R 1210", Capacitance=22u, Dielectric=X7R, Manufacturer 1=Murata, Manufacturer Part Number 1=GCM32ER71C226ME19K, Supplier Part Number 1=81-GCM32ER71C226ME9K, Tolerance=20%, Voltage=16V, Specifications="X7R 22u 16V ±20%", Supplier 1=Mouser
C125: library part "10u 50V X5R 1210", Capacitance=10u, Dielectric=X5R, Manufacturer 1="TAIYO YUDEN", Manufacturer Part Number 1=UMK325BJ106KM-T, Supplier Part Number 1=2113078, Tolerance=10%, Voltage=50V, Specifications="X5R 10u 50V ±10%", Supplier 1=Farnell
C126: library part "100n 50V X7R 0603", Capacitance=100n, Dielectric=X7R, Manufacturer 1=KEMET, Manufacturer Part Number 1=C0603C104M5RACTU, Supplier Part Number 1=80-C0603C104M5R, Tolerance=20%, Voltage=50V, Specifications="X7R 100n 50V ±20%", Supplier 1=Mouser
C130 C131 C132: library part "220n 50V X7R 0603", Capacitance=220n, Dielectric=X7R, Manufacturer 1=MURATA, Manufacturer Part Number 1=GCM188R71H224KA64D, Supplier Part Number 1=2456085, Tolerance=10%, Voltage=50V, Specifications="X7R 220n 50V ±10%", Supplier 1=Farnell
DS1: "OLED, 1.3-inch, 128x64, SPI", Manufacturer 1="Allvision Technology", ComponentLink1Description=Datasheet, ComponentLink1URL=http://support.technologicalarts.ca/docs/Components/OLED13-SPI/1.3%20oled%20datasheet.pdf, Manufacturer Part Number=QG-2864KSWLG01, Manufacturer Part Number 1=QG-2864KSWLG01
F1: library part 0451005.NRL, "Surface Mount Fuses 125VAC 5A .0125ohms 451 NANO2", Current Rating=5A, Manufacturer 1=Littlefuse, Supplier Part Number 1=576-0451005.NRL, Voltage Rating=125VDC, ComponentLink1Description=Datasheet, ComponentLink1URL=https://www.mouser.co.uk/datasheet/2/240/Littelfuse_Fuse_451_453_Datasheet_pdf-468354.pdf, Fuse Type="Fast Blow", Manufacturer Part Number 1=0451005.NRL, Specifications="Fuse Type\"+' '+\"Current Rating\"+' '+\"Voltage Rating", Supplier 1=Mouser
FB1 FB2: library part BLM15AG121SN1D, "120 Ohms @ 100MHz 1  Ferrite Bead 0402 (1005 Metric) 550mA 190mOhm", Current=500mA, Resistance=250mOhm, Supplier Part Number 1=81-BLM15AG121SN1D, Tolerance=25%, ComponentLink1Description=Datasheet, ComponentLink1URL=https://www.murata.com/en-us/products/productdata/8796740059166/ENFA0018.pdf, Impedance=120R, Manufacturer Part Number=BLM15AG121SN1D, Specifications="120R 500mA 25%", Supplier 1=Mouser
FB3 FB4: library part BLM21PG220SN1D, "22 Ohms @ 100MHz 1 Power Line Ferrite Bead 0805 (2012 Metric) 6A 9mOhm", Current=6A, Resistance=10mOhm, Supplier Part Number 1=81-BLM21PG220SN1D, Tolerance=25%, ComponentLink1Description=Datasheet, ComponentLink1URL=https://www.mouser.co.uk/datasheet/2/281/ENFA0005-1915781.pdf, Impedance=22R, Manufacturer Part Number=BLM21PG220SN1D, Specifications="22R 6A 25%", Supplier 1=Mouser
Fid1 Fid2 Fid3: "Fiducial Mark"
J1: "Pin Header, Wire-to-Board, 3.96 mm, 1 Rows, 6 Contacts, Through Hole Straight, VH Series", Manufacturer 1=JST, Supplier Part Number 1=2399166, ComponentLink1Description=Datasheet, ComponentLink1URL=http://www.farnell.com/datasheets/2578200.pdf, Manufacturer Part Number 1=B6P-VH(LF)(SN), Supplier 1=Farnell